# Altium PCB DCI_MB1137 - saved2.PcbDoc (part 1 of 2) (continued)
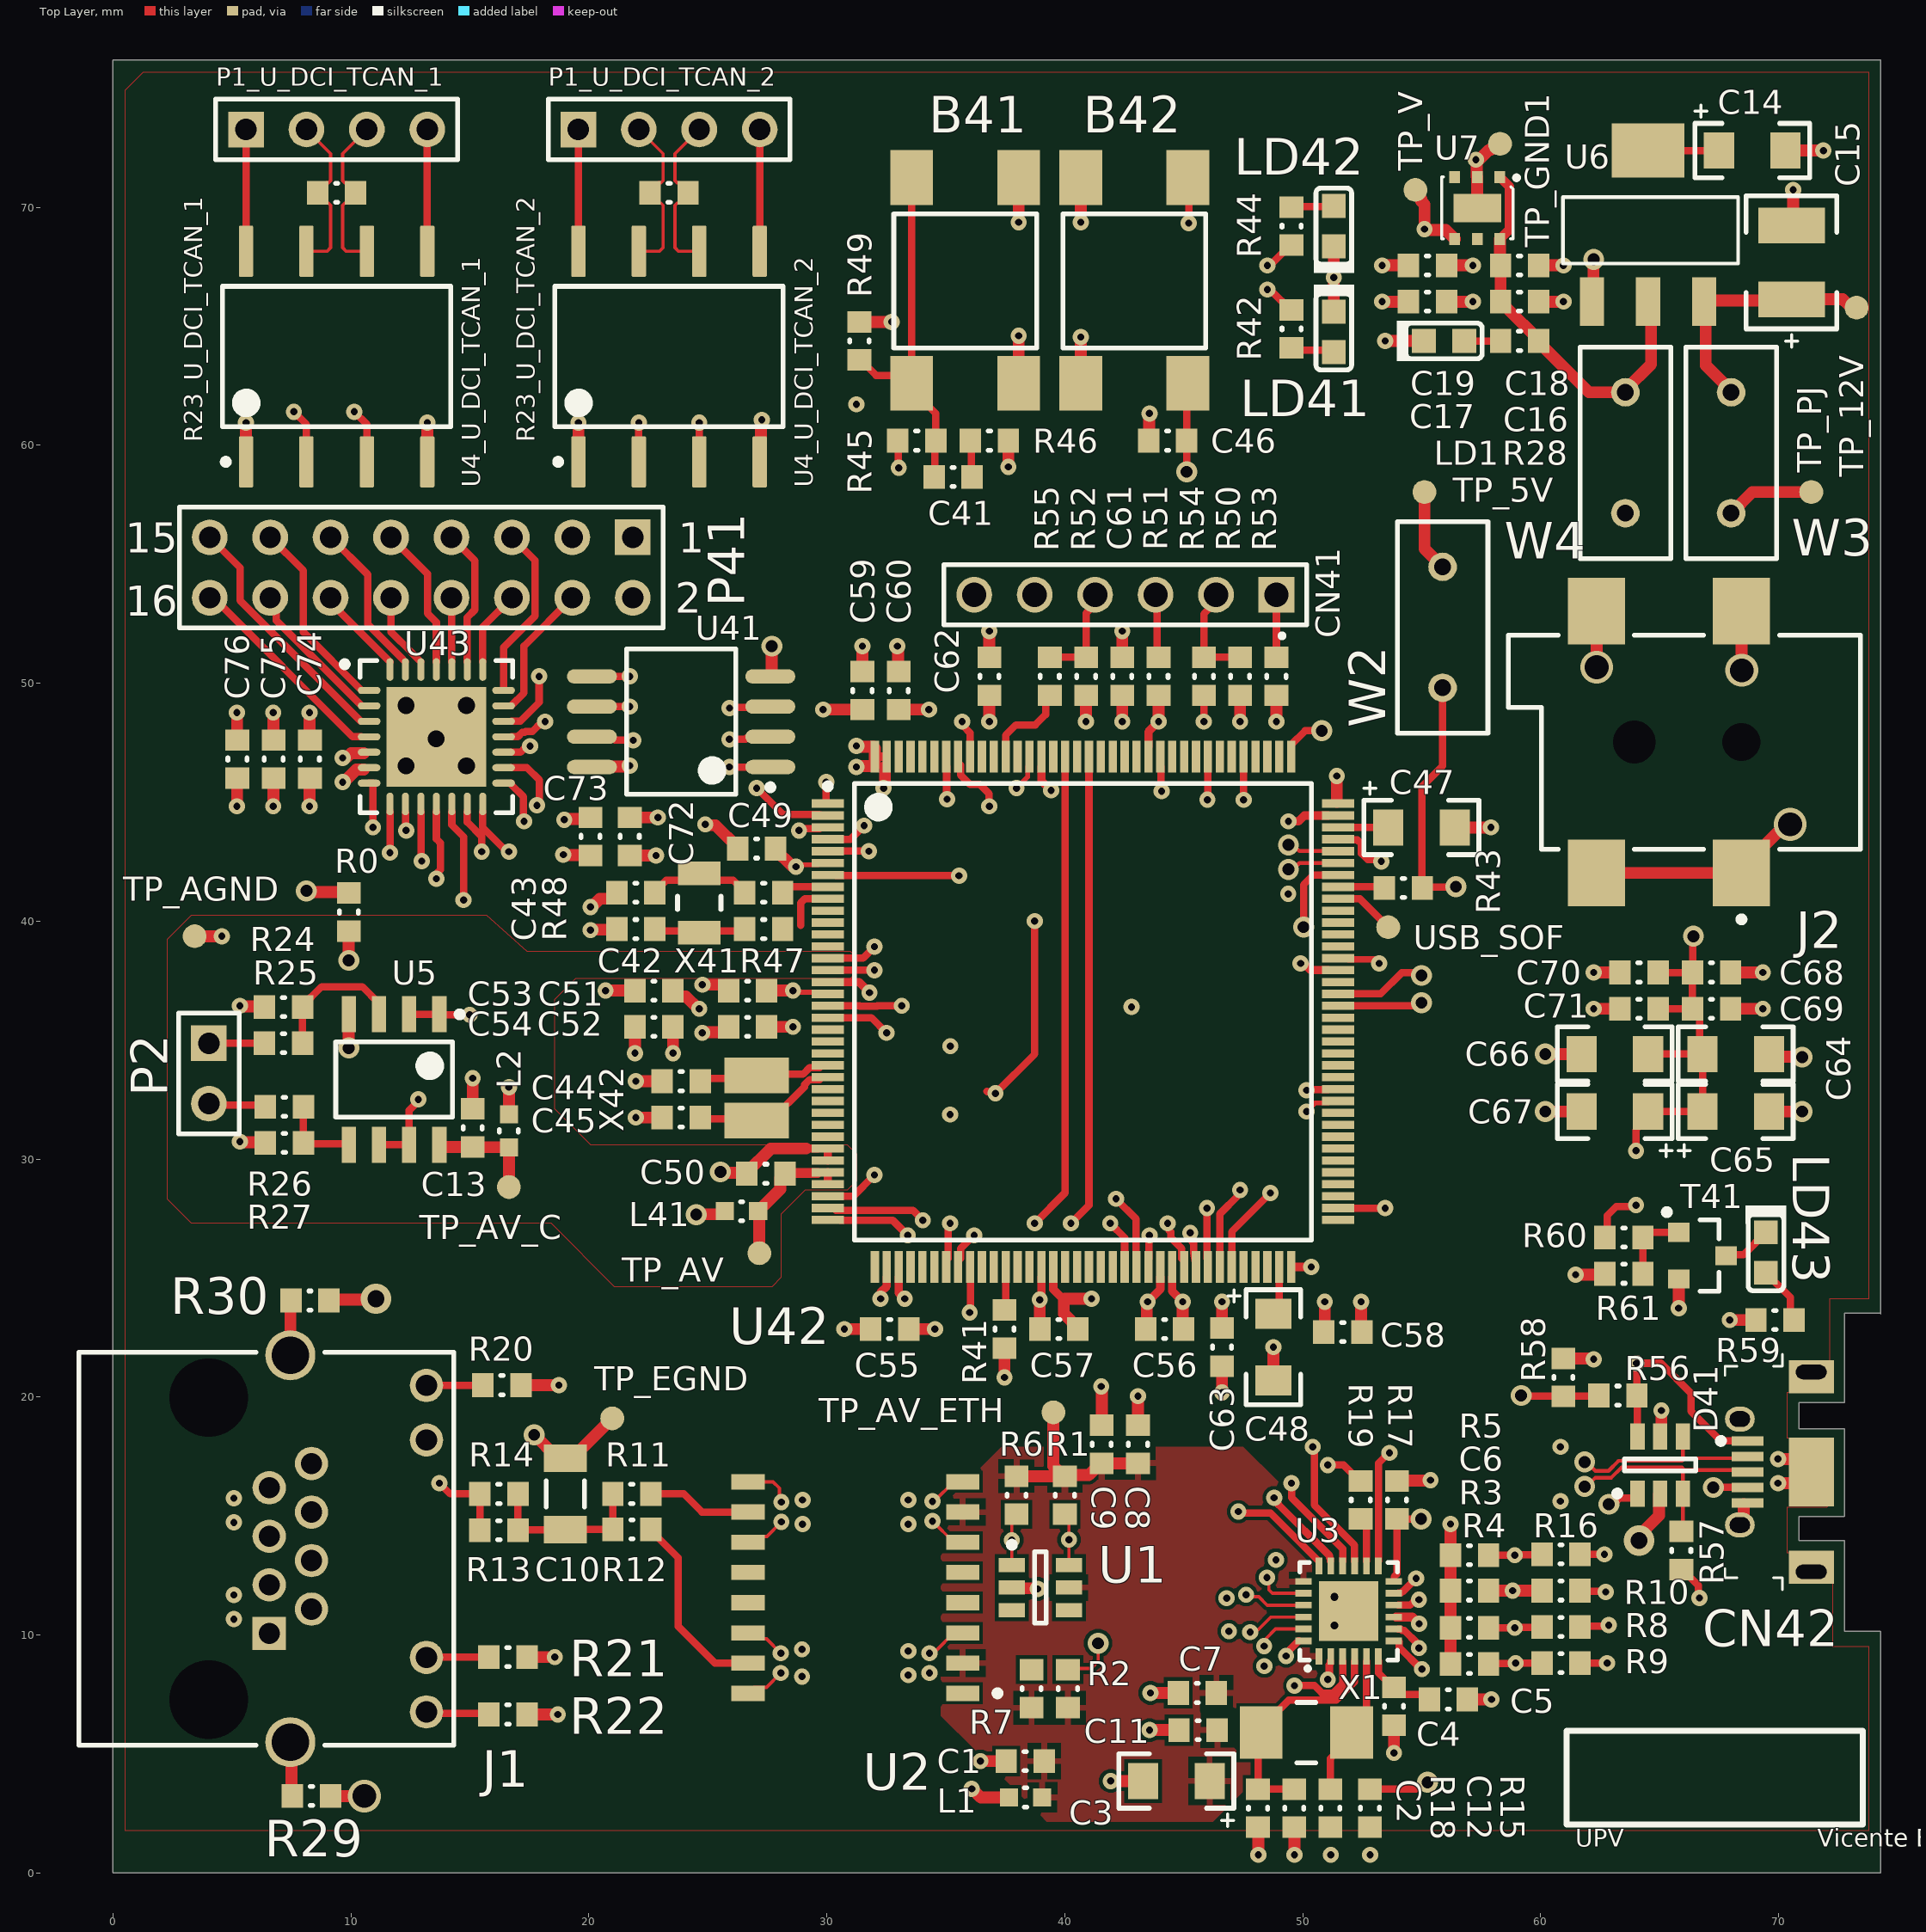
[diagram p0: Top Layer view]
## Components (designator, comment, footprint, x,y, rotation, side; value= is the part's Value field where it differs from the comment)
B41 "USER (Blue)" PB-6X6mm-Blue 35.814,66.929 r90 top
B42 "TD-0341 [RESET/Black]" PB-6X6mm-Black 42.926,66.929 r90 top
C1 "100nF" 0603C 38.338,4.703 r0 top
C2 "30pF" 0603C 48.12,2.723 r270 top value=100nF
C3 "10uF" "TAN-A - XDown" 44.691,3.866 r0 top
C4 "470pF" 0603C 53.835,7.003 r90 top value=100nF
C5 "1uF_X5R" 0603C 56.121,7.295 r0 top value=1µF
C6 "100nF" 0603C 57.01,11.867 r180 top
C7 "100nF" 0603C 45.568,7.565 r0 top
C8 "100nF" 0603C 43.078,18.018 r270 top
C9 "100nF" 0603C 41.554,18.018 r270 top
C10 "TC1206KKX7RDBB102" 1206C 19.01,15.931 r270 top value=100nF
C11 "100nF" 0603C 45.603,6.006 r0 top
C12 "30pF" 0603C 51.168,2.723 r270 top value=100nF
C13 "100nF" 0603C 15.113,31.315 r90 top value=10nF
C14 "10uF" "TAN-A - XDown" 68.895,72.39 r180 top
C15 "10uF(25V)" TAN-B 70.546,67.691 r270 top value=10uF
C16 "1uF_X5R" 0603C 59.116,66.04 r0 top value=1µF
C17 "1uF_X5R" 0603C 55.245,66.04 r180 top value=1µF
C18 "100nF" 0603C 59.116,67.564 r180 top
C19 "100nF" 0603C 55.245,67.564 r0 top
C41 "[N/A]" 0603C 35.306,58.674 r180 top value=100pF
C42 "2pF" 0603C 21.971,39.67 r180 top
C43 "2pF" 0603C 21.971,41.194 r180 top
C44 "4.3pF[N/A]" 0603C 23.876,33.274 r180 top
C45 "4.3pF[N/A]" 0603C 23.876,31.75 r180 top
C46 "100nF" 0603C 44.323,60.198 r0 top value=100pF
C47 "2.2uF_X7R" "TAN-A - XDown" 54.991,43.942 r180 top value=2.2uF
C48 "2.2uF_X7R" "TAN-A - XUp" 48.768,22.098 r90 top value=2.2uF
C49 "1uF_X5R" 0603C 27.051,43.053 r180 top value=1µF
C50 "100nF" 0603C 27.441,29.389 r180 top value=10nF
C51 "100nF" 0603C 26.67,37.084 r180 top value=10nF
C52 "100nF" 0603C 26.67,35.56 r180 top value=10nF
C53 "100nF" 0603C 22.733,37.084 r180 top value=10nF
C54 "100nF" 0603C 22.733,35.56 r180 top value=10nF
C55 "100nF" 0603C 32.639,22.86 r180 top value=10nF
C56 "100nF" 0603C 44.196,22.86 r180 top value=10nF
C57 "100nF" 0603C 39.751,22.86 r180 top value=10nF
C58 "100nF" 0603C 51.689,22.733 r0 top value=10nF
C59 "100nF" 0603C 31.496,49.695 r90 top value=10nF
C60 "100nF" 0603C 33.02,49.695 r90 top value=10nF
C61 "100nF" 0603C 42.418,50.292 r90 top value=10nF
C62 "100nF" 0603C 36.83,50.292 r90 top value=10nF
C63 "4.7uF_X5R_0603" 0603C 46.609,22.098 r270 top value=1µF
C64 "4.7uF" "TAN-A - XNo" 68.199,34.417 r180 top value=47uF
C65 "4.7uF" "TAN-A - XUp" 68.199,32.004 r180 top value=47uF
C66 "4.7uF" "TAN-A - XNo" 63.119,34.417 r0 top value=47uF
C67 "4.7uF" "TAN-A - XDown" 63.119,32.004 r0 top value=47uF
C68 "100nF" 0603C 67.183,37.846 r0 top value=10nF
C69 "100nF" 0603C 67.183,36.322 r0 top value=10nF
C70 "100nF" 0603C 64.135,37.846 r180 top value=10nF
C71 "100nF" 0603C 64.135,36.322 r180 top value=10nF
C72 "100nF" 0603C 21.717,43.561 r270 top value=10nF
C73 "100nF" 0603C 20.066,43.561 r270 top value=10nF
C74 "100nF" 0603C 8.274,46.813 r270 top value=10nF
C75 "100nF" 0603C 6.75,46.813 r270 top value=10nF
C76 "4.7uF_X5R_0603" 0603C 5.226,46.813 r270 top value=1µF
CN41 "SWD_Header" HDR_1x6_2R54_V_M 48.895,53.721 r180 top
CN42 "475900001" MOLEX_47590001 68.699,16.853 r90 top
D41 "ESDA6V1BC6" SOT23-6L 65.024,17.145 r90 top
J1 "RJHSE-5381" AMPH-RJHSE-5381_V 7.452,13.629 r270 top
J2 "Power_Connector" CUI-PJ-002AH-4_V 66.04,47.528 r180 top
L1 "BEAD" 0603L 38.354,3.175 r0 top value=100uH
L2 "BEAD" 0603L 16.637,31.188 r90 top value=100uH
L41 "BEAD" 0603L 26.416,27.813 r180 top value=100uH
LD1 "Green" 0603D-G 55.941,64.389 r0 top
LD41 "Blue" 0603D-B 51.308,64.77 r270 top
LD42 "Red" 0603D-R 51.308,69.215 r90 top
LD43 "Green" 0603D-G 69.469,26.073 r270 top
P1_U_DCI_TCAN_1 "CAN_Header" HDR1X4 5.588,73.279 r0 top (schematic designator P1)
P1_U_DCI_TCAN_2 "CAN_Header" HDR1X4 19.558,73.279 r0 top (schematic designator P1)
P2 "ADC_Header" HDR1X2 4.026,34.871 r270 top
P41 "Header 8X2" HDR2X8 21.844,56.134 r180 top
R0 "0" 0603R 9.906,40.386 r270 top value=1K
R1 "50" 0603R 40.005,15.875 r90 top
R2 "50" 0603R 40.132,7.747 r270 top
R3 "10K" 0603R 57.01,10.305 r0 top
R4 "10K" 0603R 57.01,8.781 r0 top
R5 "10K" 0603R 57.01,13.353 r0 top
R6 "50" 0603R 37.973,15.875 r90 top
R7 "50" 0603R 38.608,7.747 r270 top
R8 "33" 0603R 60.855,10.343 r0 top
R9 "33" 0603R 60.855,8.819 r0 top
R10 "10K" 0603R 60.855,11.867 r180 top
R11 "75" 0603R 21.804,15.931 r0 top value=50
R12 "75" 0603R 21.807,14.441 r0 top value=50
R13 "75" 0603R 16.216,14.407 r180 top value=50
R14 "75" 0603R 16.216,15.931 r180 top value=50
R15 "12K1" 0603R 52.819,2.723 r270 top
R16 "33" 0603R 60.855,13.391 r0 top
R17 "1K5" 0603R 53.962,15.677 r90 top
R18 "10K" 0603R 49.644,2.723 r90 top
R19 "33" 0603R 52.438,15.677 r90 top
R20 "270" 0603R 16.343,20.503 r0 top value=10K
R21 "10K" 0603R 16.597,9.073 r0 top
R22 "270" 0603R 16.597,6.66 r0 top value=10K
R23_U_DCI_TCAN_1 "120" 0603R 9.398,70.612 r180 top value=1K (schematic designator R23)
R23_U_DCI_TCAN_2 "120" 0603R 23.368,70.612 r180 top value=1K (schematic designator R23)
R24 "22K" 0603R 7.163,34.871 r180 top value=1K
R25 "10k" 0603R 7.163,36.395 r0 top value=1K
R26 "22k" 0603R 7.201,32.204 r180 top value=1K
R27 "10k" 0603R 7.201,30.68 r0 top value=1K
R28 "1K" 0603R 59.116,64.389 r0 top value=10K
R29 "0" 0603R 8.342,3.231 r180 top value=1K
R30 "0" 0603R 8.277,24.059 r180 top value=1K
R41 "100K" 0603R 37.465,22.86 r270 top value=1K
R42 "680" 0603R 49.53,64.897 r270 top value=1K
R43 "10K" 0603R 54.229,41.402 r180 top
R44 "1K" 0603R 49.53,69.215 r90 top
R45 "330" 0603R 33.782,60.198 r180 top value=1K
R46 "100" 0603R 36.83,60.198 r180 top value=1K
R47 "0" 0603R 27.343,39.67 r0 top value=1K
R48 "0" 0603R 27.343,41.194 r0 top value=1K
R49 "220K" 0603R 31.369,64.389 r90 top value=1K
R50 "10k" 0603R 47.371,50.292 r270 top value=10K
R51 "10k" 0603R 43.942,50.292 r270 top value=10K
R52 "10k" 0603R 40.894,50.292 r270 top value=10K
R53 "0" 0603R 48.895,50.292 r90 top value=10K
R54 "22" 0603R 45.847,50.292 r270 top value=10K
R55 "22" 0603R 39.37,50.292 r270 top value=10K
R56 "430K" 0603R 63.246,20.065 r180 top value=1K
R57 "1K5" 0603R 65.913,13.551 r270 top value=10K
R58 "620K" 0603R 60.96,20.827 r90 top value=1K
R59 "330" 0603R 69.85,23.24 r180 top value=1K
R60 "47K" 0603R 63.5,26.708 r0 top value=1K
R61 "22K" 0603R 63.5,25.184 r0 top value=1K
T41 "9013" SOT-23 66.802,25.946 r270 top
TP_5V "TP_5V" TP 55.118,58.039 r90 top
TP_12V "TP_12V" TP 73.279,65.786 r90 top
TP_AGND "TP_AGND" TP 3.429,39.37 r90 top
TP_AV "TP_AVDD" TP 27.163,26.048 r90 top
TP_AV_C "TP_AVDD_C" TP 16.637,28.829 r90 top
TP_AV_ETH "TP_AVDD_ETH" TP 39.522,19.36 r90 top
TP_EGND "TP_EGND" TP 20.98,19.106 r270 top
TP_GND1 "TP_GND" TP 58.293,72.674 r90 top
TP_PJ "TP_PJ" TP 71.374,58.039 r0 top
TP_V "TP_VDD" TP 54.737,70.739 r180 top
U1 "USBLC6-4SC6" SOT23-6L 38.976,11.994 r0 top
U2 "KMS-1102NL" Transformer 31.202,11.994 r90 top
U3 "LAN8742A-CZ-TR" QFN24_0R5_4X4 51.93,11.005 r90 top
U4_U_DCI_TCAN_1 "ISO1050DUBR" DUB0008A_L 9.398,63.734 r90 top (schematic designator U4)
U4_U_DCI_TCAN_2 "ISO1050DUBR" DUB0008A_L 23.368,63.734 r90 top (schematic designator U4)
U5 "MC33077DR2G" ONSC-SOIC-8-751-07_V 11.811,33.347 r270 top
U6 "LD1117S50TR" SOT-223 64.516,69.215 r90 top
U7 "LD39050PU33R" DFN6_0R95_3x3_TP 57.338,69.977 r180 top
U41 "M25P16-VMW6G" MICT-MW-8_N 23.876,48.387 r180 top
U42 "MCU_LQFP144" TSQFP50P2200X2200X160-144N 40.767,36.195 r0 top
U43 "MCP23S17T-E/ML" QFN-ML28_L-Improved_Holes 13.584,47.669 r0 top
USB_SOF "USB_SOF" TP 53.594,39.751 r90 top
W2 "Jumper_USB" RAD-0.2 55.88,52.354 r90 top
W3 "Jumper_12V" RAD-0.2 68.006,59.69 r90 top
W4 "Jumper_5V" RAD-0.2 63.561,59.69 r90 top
X1 "X53T-C20SSA-25.000MHz" XTAL_2SM_5R0X3R2 50.152,5.898 r180 top
X41 "NX3215SA-32.768KHZ" XTAL_2SM_3R2X1R5 24.638,40.767 r90 top
X42 "NX3225GD-8.000M-EXS00A" OSC_2SM_3R2x2R5 27.051,32.578 r90 top

## Footprints (in the part's own frame and the unit in brackets; to place one, negate y for a bottom-side part, rotate by r counter-clockwise, add the part's x,y. Pads: shape width x height; smd on the part's side, far side on the other; paste and mask are expansions set on the pad)
0603C [mm] "Chip Capacitor, Body 1.6x0.8mm, Height 1.0mm, IPC Medium Density"
  rect 0.9x1 smd: 1(-0.8,0) 2(0.8,0)
  silkscreen extent -0.05,-0.4 0.05,0.4, body extent -0.87,-0.48 0.88,0.47, height 1
0603D-B [mm] "LED, SMT, Body 1.6 x 0.8 mm, 0.25mm Thickness"
  rect 1x1 smd paste+0 mask+0: 1(0.85,0) 2(-0.85,0)
  silkscreen extent -1.99,-0.85 1.6,0.85, body extent -0.8,-0.4 0.8,0.4, height 0.25
0603D-G [mm] "LED, SMT, Body 1.6 x 0.8 mm, 0.25mm Thickness"
  rect 1x1 smd paste+0 mask+0: 1(0.85,0) 2(-0.85,0)
  silkscreen extent -1.98,-0.85 1.6,0.85, body extent -0.8,-0.4 0.8,0.4, height 0.25
0603D-R [mm] "LED, SMT, Body 1.6 x 0.8 mm, 0.25mm Thickness"
  rect 1x1 smd paste+0 mask+0: 1(0.85,0) 2(-0.85,0)
  silkscreen extent -1.97,-0.86 1.6,0.84, body extent -0.8,-0.4 0.8,0.4, height 0.25
0603L [mil] "Bead 0603L"
  rect 30x30 smd: 1(27.5,0) 2(-27.5,0)
  silkscreen extent -2,-16 2,16, body extent -34,-19 34,19, height 24
0603R [mm] "Chip Resistor, Body 1.6x0.8mm, IPC Medium Density"
  rect 0.9x1 smd: 1(-0.8,0) 2(0.8,0)
  silkscreen extent -0.05,-0.4 0.05,0.4, body extent -0.85,-0.47 0.85,0.47, height 0.6
1206C [mm] "Chip Capacitor, Body 3.2x1.6mm, Height 1mm, IPC Medium Density"
  rect 1.15x1.8 smd: 1(-1.5,0) 2(1.5,0)
  silkscreen extent -0.55,-0.8 0.55,0.8, body extent -1.7,-0.9 1.7,0.9, height 1
AMPH-RJHSE-5381_V [mm] "THD, 12-Leads, Body 16.51x15.75mm"
  rect 1.4x1.4 hole 0.89 mask+0.102: 1(3.56,-0.89)
  round 1.4 hole 0.89 mask+0.102: 2(2.54,0.89) 3(1.52,-0.89) 4(0.5,0.89) 5(-0.52,-0.89) 6(-1.54,0.89) 7(-2.56,-0.89) 8(-3.58,0.89) 9(-6.86,5.72) 10(-4.57,5.72) 11(4.57,5.72) 12(6.86,5.72)
  round 0 hole 3.3 unplated mask+0.102: MH1(-6.35,-3.43) MH2(6.35,-3.43)
  round 2.1 hole 1.57: S1(-8.13,0) S2(8.13,0)
  silkscreen extent -8.26,-8.89 8.26,6.86, body extent -8.42,-9.14 8.42,7.06, height 14.89
CUI-PJ-002AH-4_V [mm] "SMD, 4-Leads, Body 14.8x9 mm, Pitch 6.1mm"
  rect 2.4x2.8 smd: 1(-2.4,5.5) 1(3.7,5.5) 2(-2.4,-5.5) 3(3.7,-5.5)
  round 0 hole 1.6: MH1(-2.4,0)
  round 0 hole 1.8: MH2(2.1,0)
  silkscreen extent -7.4,-4.5 7.4,7.57, body extent -7.4,-6.3 7.4,6.3, height 11.2
DFN6_0R95_3x3_TP [mm] "500 mA low quiescent current and low noise voltage regulator"
  rect 2x1.2 smd: 0(0,0)
  rect 0.45x0.5 smd: 1(-0.95,-1.3) 2(0,-1.3) 3(0.95,-1.3) 4(0.95,1.3) 5(0,1.3) 6(-0.95,1.3)
  silkscreen extent -1.71,-1.33 1.5,1.3, body extent -1.5,-1.5 1.5,1.5, height 1
DUB0008A_L [mm] "SOP, 8-Leads, Body 6.7x9.6mm, Pitch 2.54mm, IPC High Density"
  rrect17% 2.15x0.6 smd: 1(-4.425,3.81) 2(-4.425,1.27) 3(-4.425,-1.27) 4(-4.425,-3.81) 5(4.425,-3.81) 6(4.425,-1.27) 7(4.425,1.27) 8(4.425,3.81)
  silkscreen extent -4.55,-4.8 2.95,4.8, body extent -5.24,-4.75 5.24,4.75, height 4.85
HDR1X2 [mm] "Connector; Header; 2 Position"
  rect 1.5x1.5 hole 0.9: 1(0,0)
  round 1.5 hole 0.9: 2(2.54,0)
  silkscreen extent -1.27,-1.27 3.81,1.27
HDR1X4 [mm] "Connector; Header; 4 Position"
  rect 1.5x1.5 hole 0.9: 1(0,0)
  round 1.5 hole 0.9: 2(2.54,0) 3(5.08,0) 4(7.62,0)
  silkscreen extent -1.27,-1.27 8.89,1.27
HDR2X8 [mm] "Connector; Header; 8x2 Position"
  rect 1.5x1.5 hole 0.9: 1(0,0)
  round 1.5 hole 0.9: 2(0,2.54) 3(2.54,0) 4(2.54,2.54) 5(5.08,0) 6(5.08,2.54) 7(7.62,0) 8(7.62,2.54) 9(10.16,0) 10(10.16,2.54) 11(12.7,0) 12(12.7,2.54) 13(15.24,0) 14(15.24,2.54) 15(17.78,0) 16(17.78,2.54)
  silkscreen extent -1.27,-1.27 19.05,3.81
HDR_1x6_2R54_V_M [mm] "Male Header, Pitch 2.54mm, 6x1 Position, Mated Height 6mm, Tail Length 3mm"
  rect 1.5x1.5 hole 1.02: 1(0,0)
  round 1.5 hole 1.02: 2(2.54,0) 3(5.08,0) 4(7.62,0) 5(10.16,0) 6(12.7,0)
  silkscreen extent -1.27,-1.27 13.97,1.79, body extent -1.27,-1.27 13.97,1.27, height 9
MICT-MW-8_N [mm] "SOIC, 8-Leads, Body 6.2x6.1mm, Pitch 1.27mm, IPC Medium Density"
  oval 2.1x0.6 smd: 1(-3.75,1.905) 2(-3.75,0.635) 3(-3.75,-0.635) 4(-3.75,-1.905) 5(3.75,-1.905) 6(3.75,-0.635) 7(3.75,0.635) 8(3.75,1.905)
  silkscreen extent -3.88,-3.05 2.3,3.05, body extent -3.1,-3.05 3.1,3.05
MOLEX_47590001 [mm] "USB Micro-B Connector"
  rect 0.4x1.35 smd: 1(1.3,0) 2(0.65,0) 3(0,0) 4(-0.65,0) 5(-1.3,0)
  oval 1.05x1.25 hole 0.65 slot 0.85 at 90 deg: 6(-2.225,0.325) 10(2.225,0.325)
  rect 1.4x1.9 hole 0.6 slot 1.3 at 90 deg copper offset 0.2,0: 7(-4.2,-2.675)
  rect 2.9x1.9 smd: 8(0,-2.675)
  rect 1.4x1.9 hole 0.6 slot 1.3 at 90 deg copper offset -0.2,0: 9(4.2,-2.675)
  silkscreen extent -4.95,-1.46 4.95,1.25, body extent -4.4,-5.29 4.4,0.44, height 2.71
ONSC-SOIC-8-751-07_V [mm] "SOIC, 8-Leads, Body 4.9x3.9mm, Pitch 1.27mm"
  rect 1.52x0.6 smd: 1(-2.74,1.905) 2(-2.74,0.635) 3(-2.74,-0.635) 4(-2.74,-1.905) 5(2.74,-1.905) 6(2.74,-0.635) 7(2.74,0.635) 8(2.74,1.905)
  silkscreen extent -2.86,-2.45 1.58,2.88, body extent -1.95,-2.45 1.95,2.45, height 1.75
OSC_2SM_3R2x2R5 [mm] "Crystal 8M Hz 3.2x2.5mm SMD"
  rect 1.5x2.7 smd: 1(-0.95,0) 2(0.95,0)
  body extent -1.6,-1.25 1.6,1.25, height 1
PB-6X6mm-Black [mm] "Surface Mounting Type Tact Switch, 4-Leads, Body 6x6mm, Height 4.5mm Black"
  rect 2.3x1.8 smd: 1(4.325,2.25) 2(4.325,-2.25) 3(-4.325,-2.25) 4(-4.325,2.25)
  silkscreen extent -2.83,-3 2.81,3, body extent -3,-3 3,3, height 10.5
PB-6X6mm-Blue [mm] "Surface Mounting Type Tact Switch, 4-Leads, Body 6x6mm, Height 4.5mm,Blue"
  rect 2.3x1.8 smd: 1(4.325,2.25) 2(4.325,-2.25) 3(-4.325,-2.25) 4(-4.325,2.25)
  silkscreen extent -2.83,-3 2.81,3, body extent -3,-3 3,3, height 10.5
QFN24_0R5_4X4 [mm] "SQFN 24 Pins, Pitch 0.5mm, 4mmx4mm"
  rect 0.69x0.28 smd: 1(-1.9,1.25) 2(-1.9,0.75) 3(-1.9,0.25) 4(-1.9,-0.25) 5(-1.9,-0.75) 6(-1.9,-1.25) 13(1.9,-1.25) 14(1.9,-0.75) 15(1.9,-0.25) 16(1.9,0.25) 17(1.9,0.75) 18(1.9,1.25)
  rect 0.28x0.69 smd: 7(-1.25,-1.9) 8(-0.75,-1.9) 9(-0.25,-1.9) 10(0.25,-1.9) 11(0.75,-1.9) 12(1.25,-1.9) 19(1.25,1.9) 20(0.75,1.9) 21(0.25,1.9) 22(-0.25,1.9) 23(-0.75,1.9) 24(-1.25,1.9)
  rect 2.5x2.5 smd: 25(0,0)
  silkscreen extent -2.46,-2.05 2.05,2.05, body extent -2.05,-2.05 2.05,2.05, height 1
QFN-ML28_L-Improved_Holes [mm] "Custo GPIO expander footprint"
  oval 0.95x0.3 smd: 1(-2.82,2.033) 2(-2.82,1.383) 3(-2.82,0.733) 4(-2.82,0.083) 5(-2.82,-0.567) 6(-2.82,-1.217) 7(-2.82,-1.867) 15(2.83,-1.867) 16(2.83,-1.217) 17(2.83,-0.567) 18(2.83,0.083) 19(2.83,0.733) 20(2.83,1.383) 21(2.83,2.033)
  oval 0.3x0.95 smd: 8(-1.945,-2.742) 9(-1.295,-2.742) 10(-0.645,-2.742) 11(0.005,-2.742) 12(0.655,-2.742) 13(1.305,-2.742) 14(1.955,-2.742) 22(1.955,2.908) 23(1.305,2.908) 24(0.655,2.908) 25(0.005,2.908) 26(-0.645,2.908) 27(-1.295,2.908) 28(-1.945,2.908)
  rect 4.2x4.2 smd: 29(0.005,0.083)
  silkscreen extent -3.97,-3.12 3.2,3.28, body extent -3.05,-2.97 3.05,3.13, height 1
RAD-0.2 [mm] "Radial Cap, Thru-Hole; 2 Leads; 0.2 in Pin Spacing"
  round 1.2 hole 0.7: 1(-2.54,0) 2(2.54,0)
  silkscreen extent -4.44,-1.91 4.44,1.91
SOT23-6L [mm]
  rect 1.1x0.6 smd: 1(-1.2,0.95) 2(-1.2,0) 3(-1.2,-0.95) 4(1.2,-0.95) 5(1.2,0) 6(1.2,0.95)
  silkscreen extent -1.32,-1.5 0.25,1.92, body extent -0.86,-1.51 0.87,1.52, height 1.25
SOT-23 [mm]
  rect 0.8x0.9 smd: 1(-0.98,-1) 2(0.98,-1) 3(0,1)
  silkscreen extent -1.95,-1.62 1.5,0.7, body extent -1.52,-0.7 1.52,0.7, height 1.11
SOT-223 [mil] "Adjustable and fixed low drop positive voltage regulator"
  rect 80x40 smd: 1(-125,93) 2(-125,0) 3(-125,-93)
  rect 90x120 smd: 4(125,0)
  silkscreen extent -62,-149 48,141, body extent -84,-132 62,132, height 71
"TAN-A - XDown" [mil] "TAN Capacitor"
  rect 50x60 smd: 1(55,0) 2(-55,0)
  silkscreen extent -95,-75 95,45, body extent -47,-35 47,35, height 39
"TAN-A - XNo" [mil] "TAN Capacitor"
  rect 50x60 smd: 1(55,0) 2(-55,0)
  silkscreen extent -95,-45 95,45, body extent -47,-35 47,35, height 39
"TAN-A - XUp" [mil] "TAN Capacitor"
  rect 50x60 smd: 1(55,0) 2(-55,0)
  silkscreen extent -95,-45 95,75, body extent -47,-35 47,35, height 39
TAN-B [mm] "Tan Capacitor"
  rect 1.5x2.8 smd: 1(1.55,0) 2(-1.55,0)
  silkscreen extent -2.79,-1.9 3.56,1.91, body extent -1.76,-1.54 1.7,1.54, height 1
TP [mm] "Testpoint, Surface Mounting, Circular, Pad Diameter 1mm"
  round 1 smd: 1(0,0)
Transformer [mm]
  rect 0.64x1.4 smd: 1(-4.445,-4.51) 2(-3.175,-4.51) 3(-1.905,-4.51) 4(-0.635,-4.51) 5(0.635,-4.51) 6(1.905,-4.51) 7(3.175,-4.51) 8(4.445,-4.51) 9(4.445,4.51) 10(3.175,4.51) 11(1.905,4.51) 12(0.635,4.51) 13(-0.635,4.51) 14(-1.905,4.51) 15(-3.175,4.51) 16(-4.445,4.51)
  silkscreen extent -4.57,-6.09 -4.32,-5.84, body extent -6.4,-3 6.4,3, height 6
TSQFP50P2200X2200X160-144N [mm] "TSQFP, 144-Leads, Body 20.00x20.00mm, Pitch 0.50mm, IPC Medium Density"
  rect 1.35x0.35 smd: 1(-10.725,8.75) 2(-10.725,8.25) 3(-10.725,7.75) 4(-10.725,7.25) 5(-10.725,6.75) 6(-10.725,6.25) 7(-10.725,5.75) 8(-10.725,5.25) 9(-10.725,4.75) 10(-10.725,4.25) 11(-10.725,3.75) 12(-10.725,3.25) 13(-10.725,2.75) 14(-10.725,2.25) 15(-10.725,1.75) 16(-10.725,1.25) 17(-10.725,0.75) 18(-10.725,0.25) 19(-10.725,-0.25) 20(-10.725,-0.75) 21(-10.725,-1.25) 22(-10.725,-1.75) 23(-10.725,-2.25) 24(-10.725,-2.75) 25(-10.725,-3.25) 26(-10.725,-3.75) 27(-10.725,-4.25) 28(-10.725,-4.75) 29(-10.725,-5.25) 30(-10.725,-5.75) 31(-10.725,-6.25) 32(-10.725,-6.75) 33(-10.725,-7.25) 34(-10.725,-7.75) 35(-10.725,-8.25) 36(-10.725,-8.75) 73(10.725,-8.75) 74(10.725,-8.25) 75(10.725,-7.75) 76(10.725,-7.25) 77(10.725,-6.75) 78(10.725,-6.25) 79(10.725,-5.75) 80(10.725,-5.25) 81(10.725,-4.75) 82(10.725,-4.25) 83(10.725,-3.75) 84(10.725,-3.25) 85(10.725,-2.75) 86(10.725,-2.25) 87(10.725,-1.75) 88(10.725,-1.25) 89(10.725,-0.75) 90(10.725,-0.25) 91(10.725,0.25) 92(10.725,0.75) 93(10.725,1.25) 94(10.725,1.75) 95(10.725,2.25) 96(10.725,2.75) 97(10.725,3.25) 98(10.725,3.75) 99(10.725,4.25) 100(10.725,4.75) 101(10.725,5.25) 102(10.725,5.75) 103(10.725,6.25) 104(10.725,6.75) 105(10.725,7.25) 106(10.725,7.75) 107(10.725,8.25) 108(10.725,8.75)
  rect 0.35x1.35 smd: 37(-8.75,-10.725) 38(-8.25,-10.725) 39(-7.75,-10.725) 40(-7.25,-10.725) 41(-6.75,-10.725) 42(-6.25,-10.725) 43(-5.75,-10.725) 44(-5.25,-10.725) 45(-4.75,-10.725) 46(-4.25,-10.725) 47(-3.75,-10.725) 48(-3.25,-10.725) 49(-2.75,-10.725) 50(-2.25,-10.725) 51(-1.75,-10.725) 52(-1.25,-10.725) 53(-0.75,-10.725) 54(-0.25,-10.725) 55(0.25,-10.725) 56(0.75,-10.725) 57(1.25,-10.725) 58(1.75,-10.725) 59(2.25,-10.725) 60(2.75,-10.725) 61(3.25,-10.725) 62(3.75,-10.725) 63(4.25,-10.725) 64(4.75,-10.725) 65(5.25,-10.725) 66(5.75,-10.725) 67(6.25,-10.725) 68(6.75,-10.725) 69(7.25,-10.725) 70(7.75,-10.725) 71(8.25,-10.725) 72(8.75,-10.725) 109(8.75,10.725) 110(8.25,10.725) 111(7.75,10.725) 112(7.25,10.725) 113(6.75,10.725) 114(6.25,10.725) 115(5.75,10.725) 116(5.25,10.725) 117(4.75,10.725) 118(4.25,10.725) 119(3.75,10.725) 120(3.25,10.725) 121(2.75,10.725) 122(2.25,10.725) 123(1.75,10.725) 124(1.25,10.725) 125(0.75,10.725) 126(0.25,10.725) 127(-0.25,10.725) 128(-0.75,10.725) 129(-1.25,10.725) 130(-1.75,10.725) 131(-2.25,10.725) 132(-2.75,10.725) 133(-3.25,10.725) 134(-3.75,10.725) 135(-4.25,10.725) 136(-4.75,10.725) 137(-5.25,10.725) 138(-5.75,10.725) 139(-6.25,10.725) 140(-6.75,10.725) 141(-7.25,10.725) 142(-7.75,10.725) 143(-8.25,10.725) 144(-8.75,10.725)
  silkscreen extent -10.85,-9.6 9.6,9.6, body extent -11,-11 11,11, height 1.6
XTAL_2SM_3R2X1R5 [mm] "CRYSTAL 32.768KHZ 6PF SMD 2 pads"
  rect 1x1.8 smd: 1(-1.25,0) 2(1.25,0)
  silkscreen extent -0.28,-0.91 0.28,0.91, body extent -1.63,-0.75 1.58,0.75, height 0.89
XTAL_2SM_5R0X3R2 [mm] "CRYSTAL 25M Hz  30F SMD 2 pads"
  rect 1.8x2.2 smd: 1(-1.9,0) 2(1.9,0)
  silkscreen extent -0.4,-1.27 0.4,1.27, body extent -2.5,-1.6 2.5,1.6, height 1.3

## Part data
B41 B42: library part "SW PUSHBUTTON", "SE PUSHBUTTON"
C1 C2 C4 C6 C7 C8 C9 C11 C12 C18 C19: library part Capacitor_ST, "Capacitor 0402 / 0603 / 0805", Revision="July-2002: Re-released for DXP Platform."
C3: library part Cap_10uF_POL_10%_TANA, "Polarized Capacitor,10uF,10V,10%,typeA,VISHAY", Manuf_1=VISHAY, Manuf_Part_1=293D106X9010A2TE3, ECCN_US/EU=n/a, Revision="July-2002: Re-released for DXP Platform."
C5 C16 C17 C49: library part "CAP SMD 0603  X5R 1µF 25V 10%", "0603  X5R 1µF", Rated voltage=25V, Temperature Max=+125°C, Temperature Min=-55°C, Tolerance=10%, Order code Farnell=1288202RL, Technology=X5R
C10: library part Capacitor_ST, "Capacitor 0402 / 0603 / 0805/ 1206", Revision="July-2002: Re-released for DXP Platform."
C13 C50 C51 C52 C53 C54 C55 C56 C57 C58 C59 C60 C61 C62 C68 C69 C70 C71 C72 C73 C74 C75: library part Cap, "Capacitor", Published=8-Jun-2000, Publisher="Altium Limited", Revision="July-2002: Re-released for DXP Platform."
C14 C15 C64 C65 C66 C67: library part "Cap Pol1", "Polarized Capacitor (Radial)", Published=8-Jun-2000, Publisher="Altium Limited", Revision="July-2002: Re-released for DXP Platform."
C41 C42 C43 C44 C45 C46: library part CAP, "Capacitor"
  C41 C46: Published=8-Jun-2000, Publisher="Altium Limited", Revision="July-2002: Re-released for DXP Platform."
C47 C48: library part Cap_2.2uF_X7R_10%_0805, "Capacitor,2.2uF,16V, X7R,10%,0805,YAGEO", Manuf_1=YAGEO, Manuf_Part_1=CC0805KKX7R7BB225, Order=CC0805KKX7R7BB225, Revision="July-2002: Re-released for DXP Platform."
C63 C76: library part "CAP SMD 0603  X5R 1µF 25V 10%", "0603  X5R 4.7uF", Rated voltage=25V, Temperature Max=+125°C, Temperature Min=-55°C, Tolerance=10%, Order code Farnell=1288202RL, Technology=X5R
CN41: library part "Header 6X1", "Header, 6-Pin, Single row", LatestRevisionDate=17-Jul-2002, LatestRevisionNote="Re-released for DXP Platform.", Publisher="Altium Limited"
D41: "4-line ESD protection", Manuf_1=STM, Manuf_Part_1=ESDA5V3L, Distrib=ST, ECCN_US/EU=EAR99/NEC, Order=ESDA5V3L, Ordered by=STM, Provided=ST, Ref St=9179034
J1: library part CMP-2000-06980-1, "High Speed RJ45, Modular Jack, 8 Position, 8 Contacts, Shielded, with LEDs, -55 to 85 degC,12-Pin THD, RoHS, Tray", LED Color=Yellow-Green, Manufacturer=Amphenol, Operating Temperature=-55°C~85°C, Package Description="12-Pin Through Hole Device, Body 16.51 x 15.75 mm", Ratings=-, Standard Package=120, 3D Model=RJHSE538x.stpRJHSE538x.igs, Catalog Drawings=RJ45SeriesRightAngle, Category=Connectors,Interconnects, Connector Type=Jack, Contact Finish=Gold, Contact Finish Thickness=50µin(1.27µm), Contact Material=PhosphorBronze, Datasheet URL=https://datasheet.ciiva.com/16481/rjhse538x-16481714.pdf, Datasheet Version="Rev. K, 04/2014", Family=ModularConnectors-Jacks, Featured Product=ModularJacksProductSolutions, Features=BoardLock, Housing Material=Thermoplastic, Ingress Protection=-, Manufacturer URL=http://www.amphenol.com/, Mounting Technology=ThroughHole, Mounting Type=ThroughHole, Number of Ports=1, Number of Positions/Contacts=8p8c(RJ45,Ethernet), Number of Rows=1, Online Catalog=RJHSESeries, Orientation=90°Angle(Right), Other Names=RJHSE5381, Package Reference=RJHSE-5381, Packaging=Tray, PCN Design/Specification=MultipleSeriesCopper29/Jan/2009RJHSEShieldMaterial30/Jun/2015, Series=RJHSE, Shielding=Shielded,EMIFinger, Tab Direction=Up, Termination=Solder
J2: library part CMP-2000-06896-1, "DC Power Jack, Right Angle, -25 to 85 degC, 4-Pin 14.8 x 9 x 11 mm SMD, RoHS, Tape and Reel", Current Rating=5A, Flammability Rating=UL94V-0, Insulation Resistance=100MOhms, Manufacturer=CUIInc., Operating Temperature Range=-25Cto+85C, Package Description="4-Pin Surface Mount Device, Body 14.8 x 9 mm, Pitch 6.1 mm", Package Reference=PJ-002AH, Voltage Rating=24V, Brand=CUI, Connector Type=DCPowerJack, Contact Gender=Male, Contact Material=Brass, Contact Plating=Nickel, Datasheet URL=http://www.cui.com/product/resource/pj-002ah-smt.pdf, Datasheet Version="Rev. 1.03, 11/2012", Factory Pack Quantity=350, Housing Material=Polyamide(PA), Inside Contact Diameter=2mm, Manufacturer URL=http://www.cui.com/, Mounting Angle=Right, Mounting Style=SMD/SMT, Mounting Technology=SurfaceMount, Outside Contact Diameter=6.5mm, Packaging=Reel, PartNumber=PJ-002AH, Product=Jacks, Product Category=DCPowerConnectors, RoHS=True, Termination Style=SMD/SMT
L1 L2 L41: library part Inductor, "Inductor", Published=8-Jun-2000, Publisher="Altium Limited", Revision="July-2002: Re-released for DXP Platform."
LD1 LD41 LD42 LD43: library part LED2, "Typical RED, GREEN, YELLOW, AMBER GaAs LED", Published=8-Jun-2000, Publisher="Altium Limited", Revision="July-2002: Re-released for DXP Platform."
P1_U_DCI_TCAN_1 P1_U_DCI_TCAN_2: library part "Header 4", "Header, 4-Pin", LatestRevisionDate=17-Jul-2002, LatestRevisionNote="Re-released for DXP Platform.", Publisher="Altium Limited"
P2: library part "Header 2", "Header, 2-Pin", LatestRevisionDate=17-Jul-2002, LatestRevisionNote="Re-released for DXP Platform.", Publisher="Altium Limited"
P41: "Header, 8-Pin, Dual row", LatestRevisionDate=17-Jul-2002, LatestRevisionNote="Re-released for DXP Platform.", Publisher="Altium Limited"
R0 R41 R49 R56 R58 R59 R60 R61: library part res1, "Resistor", Published=8-Jun-2000, Publisher="Altium Limited", Revision="July-2002: Re-released for DXP Platform."
R1 R2 R6 R7: library part Res_50_1%_0603, "Resistor,50,0603,1%,YAGEO", Manuf_1=YAGEO, Manuf_Part_1=RC0402FR-0750RL, Distrib=FARNELL, ECCN_US/EU=n/a
R3 R4 R5 R10 R18 R20 R21 R22 R28 R43 R50 R51 R52 R53 R54 R55 R57: library part Resistor_ST, "Resistor 0402 / 0603 / 0805"
R8 R9 R16 R19: library part Res_33_1%_0402, "Resistor,33,0402,1%,YAGEO", Manuf_1=YAGEO, Manuf_Part_1=RC0402FR-0733RL, Distrib=FARNELL, ECCN_US/EU=n/a
R11 R12 R13 R14: library part Res_75_1%_0603, "Resistor,75,0603,1%,YAGEO", Manuf_1=YAGEO, Manuf_Part_1=RC0402FR-0750RL, Distrib=FARNELL, ECCN_US/EU=n/a
R15: library part Res_12K1_1%_0603, "Resistor,12K1,0603,1%,VISHAY", Manuf_1=VISHAY, Manuf_Part_1="MCT 0603-50 1% P5 12K1", Distrib=FARNELL, ECCN_US/EU=n/a, Order=2325243
R17: library part Res_1K5_1%_0402, "Resistor,1K5,0402,1%,YAGEO", Manuf_1=YAGEO, Manuf_Part_1=RC0402FR-071K5L, Distrib=FARNELL, ECCN_US/EU=n/a, Order=RC0402FR-071K5L
R23_U_DCI_TCAN_1 R23_U_DCI_TCAN_2 R24 R25 R26 R27 R29 R30 R42 R44 R45 R46 R47 R48: library part Res1, "Resistor", Published=8-Jun-2000, Publisher="Altium Limited", Revision="July-2002: Re-released for DXP Platform."
  R23_U_DCI_TCAN_1 R23_U_DCI_TCAN_2 R24 R25 R26 R27 R29 R30: Ordered by=Subcon
T41: library part NPN, "NPN Bipolar Transistor", Code - JEDEC=TO-226-AA, Published=8-Jun-2000, Publisher="Altium Limited", Revision="July-2002: Re-released for DXP Platform."
TP_5V TP_12V TP_AGND TP_AV TP_AV_C TP_AV_ETH TP_EGND TP_GND1 TP_PJ TP_V USB_SOF: library part TP
U3: "LAN8742A-CZ-TR - Small Footprint RMII 10/100 Ethernet, Transceiver with HP Auto-MDIX and flexPWR Technology SQFN-24", Manuf_1=MICROCHIP, Distrib=MICROCHIP, Manuf_Part_1=LAN8742A-CZ-TR, Order=LAN8742A-CZ-TR
U4_U_DCI_TCAN_1 U4_U_DCI_TCAN_2: library part CMP-0315-00093-2, "Isolated CAN Transceiver, -55 to 105 degC, 8-pin SOP (DUB), Green (RoHS & no Sb/Br)", Drivers Per Package=1, Manufacturer="Texas Instruments", Rating=Catalog, ComponentLink1Description=Datasheet, ComponentLink1URL=http://www.ti.com/general/docs/lit/getliterature.tsp?genericPartNumber=ISO1050&fileType=pdf, ComponentLink2Description="Package Specification", ComponentLink2URL=http://www.ti.com/litv/pdf/mpds247b, DatasheetVersion=SLLS983E, Eco-Plan="Green (RoHS & no Sb/Br)", Isolated=Yes, Mounting Technology="Surface Mount", PackageDescription="8-Pin Small Outline Package 2.54 mm Pitch", PackageReference=DUB0008A, PackageVersion="revC, May-2006", PartNumber=ISO1050DUBR, SubFamily=CAN
U5: library part CMP-1310-00366-1, "Low Noise Dual Operational Amplifier, 5 to 36 V, -40 to 85 degC, 8-Pin SOIC, Pb-Free, Tape and Reel", Manufacturer="On Semiconductor", ComponentLink1Description="Manufacturer URL", ComponentLink1URL=http://www.onsemi.com/, ComponentLink2Description=Datasheet, ComponentLink2URL=http://www.onsemi.cn/pub_link/Collateral/MC33077-D.PDF, ComponentLink3Description="Package Specification", ComponentLink3URL=http://www.onsemi.com/pub_link/Collateral/751-07.PDF, DatasheetVersion="Rev. 5", GBW Typ (MHz)=37, Mounting Technology="Surface Mount", PackageDescription="8-Pin Small Outline Integrated Circuit, Body 4.9 x 3.9 mm, Pitch 1.27 mm", PackageReference=SOIC-8-751-07, PackageVersion="Rev. AK, 02/2011", Packing="Tape and Reel", PartNumber=MC33077DR2G, RoHS=TRUE, SR Typ (V/uS)=11, VCC Max (V)=36, VCC Min (V)=5
U6: library part LD1117
U7: library part LD39050P
U41: library part CMP-0357-00145-1, "16 Mb (x1) Serial NOR Flash Memory, 75 MHz, 2.7 to 3.6 V, 8-pin SO8 Wide (MW), Tube", Manufacturer=Micron, Package="SO8 WideÂ", Voltage=2.7V-3.6VÂ, Applications=EmbeddedÂ, ComponentLink1Description="Manufacturer URL", ComponentLink1URL=http://www.micron.com/, ComponentLink2Description=Datasheet, ComponentLink2URL=http://www.micron.com/~/media/Documents/Products/Data%20Sheet/NOR%20Flash/Serial%20NOR/M25P/M25P16.pdf, ComponentLink3Description="Package Specification", ComponentLink3URL=http://www.micron.com/~/media/Documents/Products/Data%20Sheet/NOR%20Flash/Serial%20NOR/M25P/M25P16.pdf, DatasheetVersion="Rev. Y", Density=16MbÂ, Mounting Technology="Surface Mount", PackageDescription="8-Pin SO Wide, 5.62 X 6.05 mm, Pitch 1.27 mm", PackageReference=MICT-MW-8, PackageVersion="Rev 8", Part Family=M25PÂ, Part Status=ProductionÂ, PartNumber=M25P16-VMW6G, RoHS=YesÂ, Speed="75 MHzÂ", Type="Data StorageÂ", Width=x1Â
U43: "16 output GPIO expander"
W2 W3 W4: library part Jumper, "Jumper Wire", LatestRevisionDate=17-Jul-2002, LatestRevisionNote="Re-released for DXP Platform.", PackageDescription="Radial Cap, Thru-Hole; 2 Leads; 0.2 in Pin Spacing", PackageReference=RAD-0.2, Published=24-Mar-1999, Publisher="Altium Limited"
X1: library part XTAL_5032, "Crystal Oscillator", LatestRevisionDate=17-Jul-2002, LatestRevisionNote="Re-released for DXP Platform.", PackageReference=R38, Published=8-Jun-2000, Publisher="Altium Limited"
X41: library part CRYSTAL_32K, "Crystal"
X42: library part XTAL, "Crystal Oscillator", LatestRevisionDate=17-Jul-2002, LatestRevisionNote="Re-released for DXP Platform.", PackageReference=R38, Published=8-Jun-2000, Publisher="Altium Limited"

## Via types
v1: diameter 0.68, hole 0.3, Top Layer to Bottom Layer, 253 vias
v2: diameter 0.88, hole 0.5, Top Layer to Bottom Layer, 29 vias
v3: diameter 1.27, hole 0.711, Top Layer to Bottom Layer, 7 vias
v4: diameter 1.38, hole 1, Top Layer to Bottom Layer, 4 vias
v5: diameter 0.68, hole 0.3, Top Layer to Top Internal, 2 vias
v6: diameter 0.66, hole 0.33, Top Layer to Bottom Layer, 2 vias

## Nets (pads, with @x,y where several pads share a name; then routed paths per layer and width w, separated by ;. In a path a pad name is that pad's centre, name@x,y a point inside that pad or via, vN(x,y) a via of type N, cw(c..) or ccw(c..) an arc to the next point about the centre after c; other vN are vias at no path point)
+5V: C16.1 C18.2 R28.2 TP_5V.1 U6.2 U7.1 U7.6 W2.2 W4.2 | length 30.6
  Top Layer w0.4: U7.6@58.288,68.677 58.688,69.077 58.688,70.877 U7.1@58.288,71.277
  Top Layer w0.5: TP_5V.1@55.118,58.039 55.118,55.656 W2.2@55.88,54.894 ; U7.6@58.288,68.677 58.288,67.592 C18.2@58.316,67.564 C16.1@58.316,66.04 ; C16.1@58.565,65.79 59.916,64.439 59.916,64.339 62.025,62.23 W4.2@63.561,62.23 63.561,62.338 64.643,63.42 64.643,65.974 U6.2@64.577,66.04
  Top Internal w0.5: W2.2@55.88,54.894 56.069,54.894 56.351,55.176 56.507,55.176 W4.2@63.561,62.23
+12V: C15.1 TP_12V.1 U6.3 W3.2 | length 10.8
  Top Layer w0.5: W3.2@68.006,62.23 68.006,62.296 66.939,63.363 66.939,66.04 66.99,66.091 70.496,66.091 C15.1@70.546,66.141 72.694,66.141 72.953,65.882 73.183,65.882 TP_12V.1@73.279,65.786
AGND: C13.2 C50.2 R0.2 R25.1 R27.1 TP_AGND.1 U5.4 U42.30 U42.31 | length 12.3
  Top Layer w0.35: 29.126,30.445 U42.30@29.617,30.445 ; U42.31@30.042,29.945 U42.30@30.042,30.445
  Top Layer w0.5: TP_AGND.1@3.429,39.37 v1(4.572,39.37) ; v1(5.334,30.734) 5.361,30.707 6.374,30.707 R27.1@6.401,30.68 ; v1(5.334,36.449) 5.361,36.422 6.336,36.422 R25.1@6.363,36.395 ; v2(9.906,34.671) U5.4@9.906,36.087 ; v2(9.906,38.354) R0.2@9.906,39.586 ; C13.2@15.113,32.115 v1(15.113,33.401) ; v2(25.527,29.464) 25.565,29.426 26.604,29.426 C50.2@26.641,29.389 26.641,29.439 27.647,30.445 29.126,30.445
AVDD: C50.1 L41.2 TP_AV.1 U42.32 U42.33 | length 5.7
  Top Layer w0.35: U42.33@30.042,28.945 U42.32@30.042,29.445
  Top Layer w0.406: C50.1@28.241,29.389 28.269,29.417 U42.32@29.617,29.417
  Top Layer w0.5: TP_AV.1@27.163,26.048 27.163,27.764 L41.2@27.114,27.813 28.041,28.74 28.041,29.189 C50.1@28.241,29.389
AVDD_COND: C13.1 L2.2 TP_AV_C.1 U5.8 | length 4.7
  Top Layer w0.5: U5.8@13.716,30.607 13.716,30.565 13.766,30.515 C13.1@15.113,30.515 15.126,30.502 16.624,30.502 L2.2@16.637,30.489 TP_AV_C.1@16.637,28.829
CAN_U_DCI_TCAN_1_N: P1_U_DCI_TCAN_1.3 R23_U_DCI_TCAN_1.1 U4_U_DCI_TCAN_1.6 | length 7
  Top Layer w0.137: U4_U_DCI_TCAN_1.6@10.668,68.159 9.795,68.159 9.648,68.306 9.648,70.09 9.739,70.18 9.816,70.18 10.198,70.562 10.198,70.662 9.816,71.044 9.739,71.044 9.648,71.134 9.648,72.259 P1_U_DCI_TCAN_1.3@10.668,73.279
CAN_U_DCI_TCAN_1_P: P1_U_DCI_TCAN_1.2 R23_U_DCI_TCAN_1.2 U4_U_DCI_TCAN_1.7 | length 7
  Top Layer w0.137: U4_U_DCI_TCAN_1.7@8.128,68.159 9.001,68.159 9.148,68.306 9.148,70.09 9.057,70.18 8.98,70.18 8.598,70.562 8.598,70.662 8.98,71.044 9.057,71.044 9.148,71.134 9.148,72.259 P1_U_DCI_TCAN_1.2@8.128,73.279
CAN_U_DCI_TCAN_2_N: P1_U_DCI_TCAN_2.3 R23_U_DCI_TCAN_2.1 U4_U_DCI_TCAN_2.6 | length 7
  Top Layer w0.137: U4_U_DCI_TCAN_2.6@24.638,68.159 23.765,68.159 23.618,68.306 23.618,70.09 23.709,70.18 23.786,70.18 24.168,70.562 24.168,70.662 23.786,71.044 23.709,71.044 23.618,71.134 23.618,72.259 P1_U_DCI_TCAN_2.3@24.638,73.279
CAN_U_DCI_TCAN_2_P: P1_U_DCI_TCAN_2.2 R23_U_DCI_TCAN_2.2 U4_U_DCI_TCAN_2.7 | length 7
  Top Layer w0.137: U4_U_DCI_TCAN_2.7@22.098,68.159 22.971,68.159 23.118,68.306 23.118,70.09 23.027,70.18 22.95,70.18 22.568,70.562 22.568,70.662 22.95,71.044 23.027,71.044 23.118,71.134 23.118,72.259 P1_U_DCI_TCAN_2.2@22.098,73.279
GND: B42.1 B42.4 C1.1 C2.2 C3.2 C4.1 C5.2 C6.1 C7.1 C8.1 C9.1 C11.1 C12.2 C14.2 C15.2 C16.2 C17.2 C18.1 C19.1 C42.2 C43.2 C44.2 C45.2 C46.1 C47.2 C48.2 C49.2 C51.2 C52.2 C53.2 C54.2 C55.2 C56.2 C57.2 C58.2 C59.2 C60.2 C61.2 C62.2 C63.2 C64.2 C65.2 C66.2 C67.2 C68.2 C69.2 C70.2 C71.2 C72.2 C73.2 C74.2 C75.2 C76.2 CN41.6 CN42.5 CN42.6 CN42.7 CN42.8 CN42.9 CN42.10 D41.2 D41.5 J2.2 J2.3 LD1.2 LD41.2 LD42.2 R0.1 R10.2 R15.2 R20.2 R21.2 R22.2 R29.1 R30.1 R41.2 R49.2 R58.2 R61.1 T41.2 TP_GND1.1 U1.2 U3.25 U4_U_DCI_TCAN_1.4 U4_U_DCI_TCAN_2.4 U6.1 U7.0 U7.2 U41.4 U42.16 U42.38 U42.51 U42.61 U42.83 U42.94 U42.107 U42.120 U42.130 U42.138 U43.6 U43.29 | length 124.1
  Top Layer w0.2: v1(50.165,32.004) 50.531,32.37 U42.83@51.067,32.37
  Top Layer w0.298: U42.120@44.043,46.495 44.043,45.492 v1(44.069,45.466)
  Top Layer w0.315: U42.138@35.034,46.495 35.034,45.144 v1(35.052,45.127)
  Top Layer w0.35: U42.16@30.467,37.445 31.349,37.445 v1(31.793,37) ; v1(32.258,24.13) 32.258,24.401 32.517,24.66 U42.38@32.517,25.045 ; v1@39.017,24.04 U42.51@39.017,25.045 ; U42.130@39.017,46.495 39.017,45.91 v1(39.425,45.502) ; v1(43.485,24.003) 44.017,24.535 U42.61@44.017,25.045 ; v1(49.403,44.196) 49.818,44.196 50.067,44.445 U42.107@51.067,44.445 ; v1(49.911,38.227) 50.054,38.227 50.336,37.945 U42.94@51.067,37.945
  Top Layer w0.5: v1(5.207,44.831) 5.217,44.841 5.217,46.004 C76.2@5.226,46.013 ; v1(6.731,44.831) 6.741,44.841 6.741,46.004 C75.2@6.75,46.013 ; v2(8.128,41.275) 8.173,41.23 9.861,41.23 R0.1@9.906,41.186 ; v1(8.255,44.831) 8.265,44.841 8.265,46.004 C74.2@8.274,46.013 ; R30.1@9.077,24.059 9.113,24.094 11.013,24.094 v3(11.049,24.13) ; R29.1@9.142,3.231 v4(10.563,3.231) ; v1(9.652,45.847) 9.701,45.847 10.23,46.376 U43.6@10.539,46.376 ; U4_U_DCI_TCAN_1.4@13.208,59.309 v1(13.208,60.96) ; R20.2@17.143,20.503 v1(18.74,20.503) ; R22.2@17.397,6.66 v1(18.691,6.66) ; R21.2@17.397,9.073 v1(18.564,9.073) ; v1(18.923,42.799) 18.942,42.78 20.047,42.78 C73.2@20.066,42.761 ; v1(20.066,39.624) 20.089,39.647 21.148,39.647 C42.2@21.171,39.67 ; v1(20.066,40.598) 20.115,40.598 20.461,40.944 20.971,40.944 21.171,41.144 C43.2@21.171,41.194 ; v1(20.701,37.084) C53.2@21.933,37.084 ; C72.2@21.717,42.761 v1(22.822,42.761) ; v1(21.933,34.455) C54.2@21.933,35.56 ; v1(21.971,31.75) C45.2@23.076,31.75 ; v1(21.971,33.274) C44.2@23.076,33.274 ; v1(24.765,35.306) 24.799,35.34 25.67,35.34 25.87,35.54 C52.2@25.87,35.56 ; v1(24.769,37.334) 25.67,37.334 25.87,37.134 C51.2@25.87,37.084 ; v1(24.892,44.069) 24.926,44.035 25.319,44.035 26.251,43.103 C49.2@26.251,43.053 ; U4_U_DCI_TCAN_2.4@27.178,59.309 27.228,59.359 27.228,60.988 27.268,61.028 v1(27.268,61.076) ; U41.4@27.626,50.292 27.64,50.292 27.686,50.338 v2(27.686,51.562) ; v1(30.734,22.86) C55.2@31.839,22.86 ; R49.2@31.369,65.189 v1(32.728,65.189) ; C59.2@31.496,50.495 v1(31.496,51.562) ; v1(32.963,51.562) 32.992,51.533 32.992,50.524 C60.2@33.02,50.495 ; v1(36.453,4.703) C1.1@37.538,4.703 ; C62.2@36.83,51.092 v1(36.83,52.197) ; v1(37.465,20.828) R41.2@37.465,22.06 ; U1.2@37.776,11.994 37.804,11.966 38.834,11.966 v1(38.862,11.938) ; C57.2@38.951,22.86 v1(38.951,24.092) ; B42.4@40.676,62.604 v1(40.676,64.552) ; v1(40.676,69.378) B42.1@40.676,71.254 ; v1(41.529,20.447) 41.554,20.422 C9.1@41.554,18.818 ; v1(41.932,3.866) C3.2@43.294,3.866 ; C61.2@42.418,51.092 v1(42.418,52.197) ; C8.1@43.078,18.818 v1(43.078,20.041) ; C56.2@43.396,22.86 43.446,22.91 43.446,23.915 43.485,23.954 v1(43.485,24.003) ; C46.1@43.523,60.198 43.542,60.217 43.542,61.322 v1(43.561,61.341) ; v1(43.564,6.006) C11.1@44.803,6.006 ; v1(43.599,7.565) C7.1@44.768,7.565 ; v1(46.609,20.193) C63.2@46.609,21.298 ; C2.2@48.12,1.923 48.133,1.91 v1(48.133,0.762) ; C48.2@48.768,20.701 v1(48.768,22.098) ; LD41.2@51.308,65.62 LD42.2@51.308,68.365 ; v1(52.451,24.003) 52.451,22.771 C58.2@52.489,22.733 ; v1@53.423,66.04 C17.2@54.572,66.04 ; v1@53.423,67.564 C19.1@54.572,67.564 ; v1(53.467,64.389) LD1.2@55.091,64.389 ; v1(53.835,5.044) C4.1@53.835,6.203 ; C47.2@56.388,43.942 v1(57.912,43.942) ; C5.2@56.921,7.295 v1(57.934,7.295) ; U7.0@57.338,69.977 U7.2@57.338,71.277 57.311,71.304 57.311,71.975 v1(57.277,72.009) 57.311,72.043 57.455,72.043 57.835,72.424 57.908,72.424 58.158,72.674 TP_GND1.1@58.293,72.674 ; C6.1@57.81,11.867 R10.2@60.055,11.867 ; C16.2@59.916,66.04 v1(60.96,66.04) ; C18.1@59.916,67.564 v1(60.96,67.564) ; v2(60.198,32.004) C67.2@61.722,32.004 ; v2(60.198,34.417) C66.2@61.722,34.417 ; R58.2@60.96,21.627 62.144,21.627 62.181,21.59 v1(62.23,21.59) ; v1(61.468,25.146) 62.662,25.146 R61.1@62.7,25.184 ; U6.1@62.215,66.04 62.222,66.048 62.222,67.81 v2(62.23,67.818) ; v1(62.23,36.322) C71.2@63.335,36.322 ; v1(62.23,37.846) C70.2@63.335,37.846 ; J2.3@62.34,53.028 62.357,53.011 v4(62.357,50.673) ; v3(64.135,13.97) 64.135,14.178 64.974,15.017 64.974,15.895 D41.2@65.024,15.945 ; D41.5@65.024,18.345 65.074,18.395 v1(65.074,19.438) ; v1(65.802,23.733) T41.2@65.802,24.966 ; C69.2@67.983,36.322 v1(69.342,36.322) ; C68.2@67.983,37.846 v1(69.342,37.846) ; CN42.6@68.374,14.628 68.536,14.79 CN42.5@68.536,15.503 ; J2.2@68.44,53.028 68.45,53.018 68.45,50.549 v4(68.453,50.546) ; C65.2@69.596,32.004 v2(70.993,32.004) ; C64.2@69.596,34.417 69.708,34.305 70.978,34.305 v2(70.993,34.29) ; v1(69.977,16.383) 70.674,16.383 71.374,17.083 71.374,17.145 71.12,17.399 v1(69.977,17.399) ; C14.2@70.292,72.39 v1(71.882,72.39) ; C15.2@70.546,69.241 70.612,69.307 v1(70.612,70.739)
  other v1: 51.181,0.762 52.832,0.762 28.956,8.255 33.423,8.311 48.383,8.691 33.423,9.327 28.956,9.398 46.9,10.16 5.08,10.668 46.803,11.546 5.08,11.684 58.823,11.867 48.878,13.155 28.978,14.661 33.423,14.661 5.08,14.732 60.833,15.621 28.978,15.677 33.423,15.677 5.08,15.748 60.833,17.907 35.188,34.746 42.808,36.397 49.394,41.148 31.242,61.722 53.34,66.04 51.308,67.056 53.34,67.564
  other v3: 12.314,46.526 14.854,46.526 13.584,47.669 12.314,49.066 14.854,49.066
  other v6: 51.33,10.405 51.33,11.605
LED(GREEN)_A: J1.11 R21.1 U3.2 | length 47.6
  Top Layer w0.308: J1.11@13.172,9.059 13.179,9.066 R21.1@15.79,9.066 ; v1(51.054,8.128) 51.117,8.191 51.117,8.74 51.123,8.746 51.123,8.761 51.166,8.804 U3.2@51.166,8.914
  Top Internal w0.137: J1.11@13.172,9.059 20.961,1.27 44.45,1.27 50.95,7.77 50.95,8.024 v1(51.054,8.128)
LED(GREEN)_K: J1.12 R22.1 | length 2.6
  Top Layer w0.308: J1.12@13.172,6.769 13.227,6.714 R22.1@15.743,6.714
LED(YELLOW)_A: J1.10 U3.3 | length 49
  Top Layer w0.308: v1(49.657,7.874) 50.498,7.874 50.809,7.563 51.288,7.563 51.627,7.902 51.627,7.924 51.68,7.978 U3.3@51.68,8.914
  Top Internal w0.137: J1.10@13.172,18.199 29.466,1.905 43.688,1.905 v1(49.657,7.874)
LED(YELLOW)_K: J1.9 R20.1 | length 2.4
  Top Layer w0.308: J1.9@13.172,20.489 13.179,20.496 R20.1@15.536,20.496
NC: J1.2 J1.4 J1.6 J1.8 R13.2 R14.2 | length 15.2
  Top Layer w0.308: v1(13.716,16.383) 14.168,15.931 R14.2@15.416,15.931 R13.2@15.416,14.407
  Top Internal w0.137: J1.2@8.342,11.089 J1.8@8.342,17.209 8.496,17.056 13.022,17.056 13.694,16.383 v1(13.716,16.383)